# KiCad board demomatrix.kicad_pcb (continued)
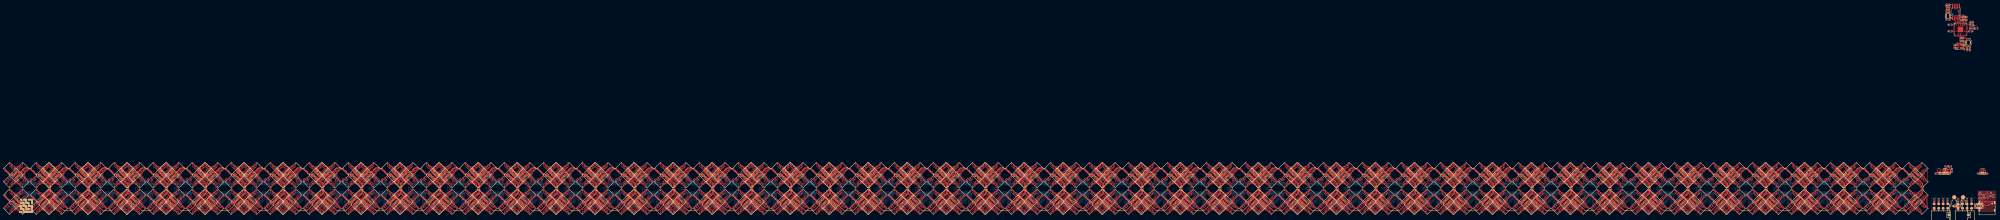
[diagram p0: board, top side]
## Routing (per net, layer and track width the routed paths; a pad name or vN(x,y) marks a point on that pad's centre or on a via; arc(x,y) is an arc through that point) (continued)
rgbs[3]-cathodes-cathode-629: length 17.6
  Top w0.2: v1(-225.6,2.94) -225.6,2.96 LED732.5
  Bottom w0.2: U226.19 -214.61,6.81 -217.72,3.69 -224.19,3.69 -224.94,2.94 v1(-225.6,2.94)
rgbs[3]-cathodes-cathode-630: length 15.2
  Top w0.2: -225.43,4.48 -224.95,4 v1(-224.89,4)
  Bottom w0.2: v1(-224.89,4) -224.8,4.09 -217.89,4.09 -215.24,6.74 U226.20
rgbs[3]-cathodes-cathode-631: length 17.3
  Top w0.2: v1(-226.38,16.92) -226.38,17.03 LED724.3
  Bottom w0.2: v1(-226.38,16.92) -226.21,17.09 -225.92,17.09 -225.54,17.48 -225.19,17.83 -225.19,17.83 -224.93,18.09 -224.62,18.09 -224.62,18.09 -224.2,18.09 -222,20.29 -217.88,20.29 -214.61,17.02 U226.6
rgbs[3]-cathodes-cathode-632: length 16.9
  Top w0.2: LED724.5 -225.79,18.14 v1(-225.79,18.08)
  Bottom w0.2: v1(-225.79,18.08) -225.65,17.94 -225.1,18.49 -224.79,18.49 -224.7,18.49 -224.37,18.49 -222.16,20.69 -217.71,20.69 -213.97,16.95 U226.7
rgbs[3]-cathodes-cathode-633: length 16.1
  Top w0.2: v1(-225.04,19.09) -225.04,19.09 -225.43,19.48
  Bottom w0.2: v1(-225.04,19.09) -224.84,18.89 -224.53,18.89 -222.33,21.09 -217.55,21.09 -213.34,16.89 U226.8
rgbs[3]-cathodes-cathode-634: length 4.1
  Top w0.2: v1(-213.81,18.21) -213.26,17.66 LED728.1
  Bottom w0.2: v1(-213.81,18.21) -212.7,17.1 U226.9
rgbs[3]-cathodes-cathode-635: length 4.5
  Top w0.2: v1(-213.2,18.72) -213.07,18.72 LED728.3
  Bottom w0.2: v1(-213.2,18.72) -212.07,17.59 U226.10
rgbs[3]-cathodes-cathode-636: length 3.2
  Top w0.2: v1(-211.42,17.52) -211.42,18.78 LED728.5
  Bottom w0.2: U226.11 -211.43,17.51 v1(-211.42,17.52)
rgbs[3]-cathodes-cathode-637: length 3.7
  Top w0.2: v1(-210.79,18.01) -210.53,18.27 -210.53,19.33
  Bottom w0.2: U226.12 -210.8,18 v1(-210.79,18.01)
rgbs[3]-cathodes-cathode-638: length 7.9
  Top w0.2: v1(-209.98,4) -210.72,4.74 LED736.7
  Bottom w0.2: U226.13 -210.8,4.82 v1(-209.98,4)
rgbs[3]-cathodes-cathode-639: length 8.7
  Top w0.2: LED736.5 -210.9,3.25 v1(-210.9,3.1)
  Bottom w0.2: v1(-210.9,3.1) -211.43,3.64 U226.14
rgbs[3]-cathodes-cathode-640: length 17.9
  Top w0.2: v1(-204.77,15.8) -204.85,15.8 LED740.1
  Bottom w0.2: v1(-204.77,15.8) -204.65,15.8 ; -204.65,15.8 -204.13,16.32 -204.13,16.32 -203.78,16.67 -203.78,16.68 -203.37,17.08 -203.14,17.31 -202.79,17.66 -202.79,17.67 -202.77,17.69 -202.46,17.69 -202.37,17.69 -202.03,17.69 -199.83,19.89 -196.04,19.89 -193.24,17.09 -193.24,16.89 U231.5 ; -204.65,15.8 -204.58,15.87
rgbs[3]-cathodes-cathode-641: length 9.4
  Top w0.2: v1(-189.72,2.28) -190.41,2.97 LED752.3
  Bottom w0.2: U231.15 -190.07,2.63 v1(-189.72,2.28)
rgbs[3]-cathodes-cathode-642: length 10.7
  Top w0.2: v1(-190.36,1.27) -191.26,2.17 LED752.1
  Bottom w0.2: U231.16 -190.7,1.61 v1(-190.36,1.27)
rgbs[3]-cathodes-cathode-643: length 21.3
  Top w0.2: v1(-205.23,1.21) -205.25,1.21 LED748.1
  Bottom w0.2: v1(-205.23,1.21) -203.54,1.21 -201.86,2.89 -195.39,2.89 -191.37,6.91 -191.37,9.65 -191.27,9.75 -191.27,10.46 U231.17
rgbs[3]-cathodes-cathode-644: length 19.3
  Top w0.2: LED748.3 -204.51,2.17 v1(-204.44,2.17)
  Bottom w0.2: U231.18 -191.97,6.88 -195.56,3.29 -202.02,3.29 -203.15,2.17 v1(-204.44,2.17)
rgbs[3]-cathodes-cathode-645: length 17.6
  Top w0.2: LED748.5 -203.6,2.96 v1(-203.6,2.94)
  Bottom w0.2: U231.19 -192.61,6.81 -195.72,3.69 -202.19,3.69 -202.94,2.94 v1(-203.6,2.94)
rgbs[3]-cathodes-cathode-646: length 15.2
  Top w0.2: -203.43,4.48 -202.95,4 v1(-202.89,4)
  Bottom w0.2: v1(-202.89,4) -202.8,4.09 -195.89,4.09 -193.24,6.74 U231.20
rgbs[3]-cathodes-cathode-647: length 17.3
  Top w0.2: v1(-204.38,16.92) -204.38,17.03 LED740.3
  Bottom w0.2: v1(-204.38,16.92) -204.21,17.09 -203.92,17.09 -203.54,17.48 -203.19,17.83 -203.19,17.83 -202.93,18.09 -202.62,18.09 -202.62,18.09 -202.2,18.09 -200,20.29 -195.88,20.29 -192.61,17.02 U231.6
rgbs[3]-cathodes-cathode-648: length 16.9
  Top w0.2: v1(-203.79,18.08) -203.79,18.14 LED740.5
  Bottom w0.2: U231.7 -191.97,16.95 -195.71,20.69 -200.16,20.69 -202.37,18.49 -202.79,18.49 -203.1,18.49 -203.65,17.94 v1(-203.79,18.08)
rgbs[3]-cathodes-cathode-649: length 16.1
  Top w0.2: v1(-203.04,19.09) -203.04,19.09 -203.43,19.48
  Bottom w0.2: U231.8 -191.34,16.89 -195.55,21.09 -200.33,21.09 -202.53,18.89 -202.84,18.89 v1(-203.04,19.09)
rgbs[3]-cathodes-cathode-650: length 4.1
  Top w0.2: LED744.1 -191.26,17.66 v1(-191.81,18.21)
  Bottom w0.2: U231.9 -190.7,17.1 v1(-191.81,18.21)
rgbs[3]-cathodes-cathode-651: length 4.5
  Top w0.2: v1(-191.2,18.72) -191.07,18.72 LED744.3
  Bottom w0.2: v1(-191.2,18.72) -190.07,17.59 U231.10
rgbs[3]-cathodes-cathode-652: length 3.2
  Top w0.2: LED744.5 -189.42,18.78 v1(-189.42,17.52)
  Bottom w0.2: v1(-189.42,17.52) -189.43,17.51 U231.11
rgbs[3]-cathodes-cathode-653: length 3.7
  Top w0.2: -188.53,19.33 -188.53,18.27 v1(-188.79,18.01)
  Bottom w0.2: v1(-188.79,18.01) -188.8,18 U231.12
rgbs[3]-cathodes-cathode-654: length 7.9
  Top w0.2: v1(-187.98,4) -188.72,4.74 LED752.7
  Bottom w0.2: v1(-187.98,4) -188.8,4.82 U231.13
rgbs[3]-cathodes-cathode-655: length 8.7
  Top w0.2: v1(-188.9,3.1) -188.9,3.25 LED752.5
  Bottom w0.2: U231.14 -189.43,3.64 v1(-188.9,3.1)
rgbs[3]-cathodes-cathode-656: length 17.9
  Top w0.2: LED756.1 -182.85,15.8 v1(-182.77,15.8)
  Bottom w0.2: -182.65,15.8 -182.13,16.32 -182.13,16.32 -181.78,16.67 -181.78,16.68 -181.37,17.08 -181.14,17.31 -180.79,17.66 -180.79,17.67 -180.77,17.69 -180.46,17.69 -180.37,17.69 -180.03,17.69 -177.83,19.89 -174.04,19.89 -171.24,17.09 -171.24,16.89 U236.5 ; -182.65,15.8 v1(-182.77,15.8) ; -182.65,15.8 -182.58,15.87
rgbs[3]-cathodes-cathode-657: length 9.4
  Top w0.2: LED768.3 -168.41,2.97 v1(-167.72,2.28)
  Bottom w0.2: v1(-167.72,2.28) -168.07,2.63 U236.15
rgbs[3]-cathodes-cathode-658: length 10.7
  Top w0.2: LED768.1 -169.26,2.17 v1(-168.36,1.27)
  Bottom w0.2: v1(-168.36,1.27) -168.7,1.61 U236.16
rgbs[3]-cathodes-cathode-659: length 21.3
  Top w0.2: v1(-183.23,1.21) -183.25,1.21 LED764.1
  Bottom w0.2: v1(-183.23,1.21) -181.54,1.21 -179.86,2.89 -173.39,2.89 -169.37,6.91 -169.37,9.65 -169.27,9.75 -169.27,10.46 U236.17
rgbs[3]-cathodes-cathode-660: length 19.3
  Top w0.2: LED764.3 -182.51,2.17 v1(-182.44,2.17)
  Bottom w0.2: U236.18 -169.97,6.88 -173.56,3.29 -180.02,3.29 -181.15,2.17 v1(-182.44,2.17)
rgbs[3]-cathodes-cathode-661: length 17.6
  Top w0.2: LED764.5 -181.6,2.96 v1(-181.6,2.94)
  Bottom w0.2: v1(-181.6,2.94) -180.94,2.94 -180.19,3.69 -173.72,3.69 -170.61,6.81 U236.19
rgbs[3]-cathodes-cathode-662: length 15.2
  Top w0.2: v1(-180.89,4) -180.95,4 -181.43,4.48
  Bottom w0.2: U236.20 -171.24,6.74 -173.89,4.09 -180.8,4.09 v1(-180.89,4)
rgbs[3]-cathodes-cathode-663: length 17.3
  Top w0.2: LED756.3 -182.38,17.03 v1(-182.38,16.92)
  Bottom w0.2: v1(-182.38,16.92) -182.21,17.09 -181.92,17.09 -181.54,17.48 -181.19,17.83 -181.19,17.83 -180.93,18.09 -180.62,18.09 -180.62,18.09 -180.2,18.09 -178,20.29 -173.88,20.29 -170.61,17.02 U236.6
rgbs[3]-cathodes-cathode-664: length 16.9
  Top w0.2: v1(-181.79,18.08) -181.79,18.14 LED756.5
  Bottom w0.2: v1(-181.79,18.08) -181.65,17.94 -181.1,18.49 -180.79,18.49 -180.7,18.49 -180.37,18.49 -178.16,20.69 -173.71,20.69 -169.97,16.95 U236.7
rgbs[3]-cathodes-cathode-665: length 16.1
  Top w0.2: v1(-181.04,19.09) -181.04,19.09 -181.43,19.48
  Bottom w0.2: U236.8 -169.34,16.89 -173.55,21.09 -178.33,21.09 -180.53,18.89 -180.84,18.89 v1(-181.04,19.09)
rgbs[3]-cathodes-cathode-666: length 4.1
  Top w0.2: LED760.1 -169.26,17.66 v1(-169.81,18.21)
  Bottom w0.2: v1(-169.81,18.21) -168.7,17.1 U236.9
rgbs[3]-cathodes-cathode-667: length 4.5
  Top w0.2: LED760.3 -169.07,18.72 v1(-169.2,18.72)
  Bottom w0.2: U236.10 -168.07,17.59 v1(-169.2,18.72)
rgbs[3]-cathodes-cathode-668: length 3.2
  Top w0.2: LED760.5 -167.42,18.78 v1(-167.42,17.52)
  Bottom w0.2: U236.11 -167.43,17.51 v1(-167.42,17.52)
rgbs[3]-cathodes-cathode-669: length 3.7
  Top w0.2: -166.53,19.33 -166.53,18.27 v1(-166.79,18.01)
  Bottom w0.2: v1(-166.79,18.01) -166.8,18 U236.12
rgbs[3]-cathodes-cathode-670: length 7.9
  Top w0.2: LED768.7 -166.72,4.74 v1(-165.98,4)
  Bottom w0.2: v1(-165.98,4) -166.8,4.82 U236.13
rgbs[3]-cathodes-cathode-671: length 8.7
  Top w0.2: v1(-166.9,3.1) -166.9,3.25 LED768.5
  Bottom w0.2: U236.14 -167.43,3.64 v1(-166.9,3.1)
rgbs[3]-cathodes-cathode-672: length 17.9
  Top w0.2: LED772.1 -160.85,15.8 v1(-160.77,15.8)
  Bottom w0.2: U241.5 -149.24,16.89 -149.24,17.09 -152.04,19.89 -155.83,19.89 -158.03,17.69 -158.46,17.69 -158.77,17.69 -158.79,17.67 -158.79,17.66 -159.37,17.08 -159.52,16.93 -159.78,16.68 -159.78,16.67 -160.13,16.32 -160.13,16.32 -160.65,15.8 ; v1(-160.77,15.8) -160.65,15.8 ; -160.65,15.8 -160.58,15.87
rgbs[3]-cathodes-cathode-673: length 9.4
  Top w0.2: LED784.3 -146.41,2.97 v1(-145.72,2.28)
  Bottom w0.2: v1(-145.72,2.28) -146.07,2.63 U241.15
rgbs[3]-cathodes-cathode-674: length 10.7
  Top w0.2: LED784.1 -147.26,2.17 v1(-146.36,1.27)
  Bottom w0.2: v1(-146.36,1.27) -146.7,1.61 U241.16
rgbs[3]-cathodes-cathode-675: length 21.3
  Top w0.2: v1(-161.23,1.21) -161.25,1.21 LED780.1
  Bottom w0.2: v1(-161.23,1.21) -159.54,1.21 -157.86,2.89 -151.39,2.89 -147.37,6.91 -147.37,9.65 -147.27,9.75 -147.27,10.46 U241.17
rgbs[3]-cathodes-cathode-676: length 19.3
  Top w0.2: v1(-160.44,2.17) -160.51,2.17 LED780.3
  Bottom w0.2: U241.18 -147.97,6.88 -151.56,3.29 -158.02,3.29 -159.15,2.17 v1(-160.44,2.17)
rgbs[3]-cathodes-cathode-677: length 17.6
  Top w0.2: LED780.5 -159.6,2.96 v1(-159.6,2.94)
  Bottom w0.2: U241.19 -148.61,6.81 -151.72,3.69 -158.19,3.69 -158.94,2.94 v1(-159.6,2.94)
rgbs[3]-cathodes-cathode-678: length 15.2
  Top w0.2: v1(-158.89,4) -158.95,4 -159.43,4.48
  Bottom w0.2: U241.20 -149.24,6.74 -151.89,4.09 -158.8,4.09 v1(-158.89,4)
rgbs[3]-cathodes-cathode-679: length 17.3
  Top w0.2: v1(-160.38,16.92) -160.38,17.03 LED772.3
  Bottom w0.2: U241.6 -148.61,17.02 -151.88,20.29 -156,20.29 -158.2,18.09 -158.62,18.09 -158.62,18.09 -158.93,18.09 -159.19,17.83 -159.19,17.83 -159.54,17.48 -159.92,17.09 -160.21,17.09 v1(-160.38,16.92)
rgbs[3]-cathodes-cathode-680: length 16.9
  Top w0.2: v1(-159.79,18.08) -159.79,18.14 LED772.5
  Bottom w0.2: U241.7 -147.97,16.95 -151.71,20.69 -156.16,20.69 -158.37,18.49 -158.79,18.49 -159.1,18.49 -159.65,17.94 v1(-159.79,18.08)
rgbs[3]-cathodes-cathode-681: length 16.1
  Top w0.2: v1(-159.04,19.09) -159.04,19.09 -159.43,19.48
  Bottom w0.2: v1(-159.04,19.09) -158.84,18.89 -158.53,18.89 -156.33,21.09 -151.55,21.09 -147.34,16.89 U241.8
rgbs[3]-cathodes-cathode-682: length 4.1
  Top w0.2: v1(-147.81,18.21) -147.26,17.66 LED776.1
  Bottom w0.2: v1(-147.81,18.21) -146.7,17.1 U241.9
rgbs[3]-cathodes-cathode-683: length 4.5
  Top w0.2: LED776.3 -147.07,18.72 v1(-147.2,18.72)
  Bottom w0.2: U241.10 -146.07,17.59 v1(-147.2,18.72)
rgbs[3]-cathodes-cathode-684: length 3.2
  Top w0.2: v1(-145.42,17.52) -145.42,18.78 LED776.5
  Bottom w0.2: v1(-145.42,17.52) -145.43,17.51 U241.11
rgbs[3]-cathodes-cathode-685: length 3.7
  Top w0.2: -144.53,19.33 -144.53,18.27 v1(-144.79,18.01)
  Bottom w0.2: U241.12 -144.8,18 v1(-144.79,18.01)
rgbs[3]-cathodes-cathode-686: length 7.9
  Top w0.2: v1(-143.98,4) -144.72,4.74 LED784.7
  Bottom w0.2: U241.13 -144.8,4.82 v1(-143.98,4)
rgbs[3]-cathodes-cathode-687: length 8.7
  Top w0.2: LED784.5 -144.9,3.25 v1(-144.9,3.1)
  Bottom w0.2: U241.14 -145.43,3.64 v1(-144.9,3.1)
rgbs[3]-cathodes-cathode-688: length 17.9
  Top w0.2: LED68.1 -138.85,15.8 v1(-138.77,15.8)
  Bottom w0.2: -138.58,15.87 -138.65,15.8 ; -138.65,15.8 v1(-138.77,15.8) ; -138.65,15.8 -138.13,16.32 -138.13,16.32 -137.78,16.67 -137.78,16.68 -137.37,17.08 -137.14,17.31 -136.79,17.66 -136.79,17.67 -136.77,17.69 -136.46,17.69 -136.37,17.69 -136.03,17.69 -133.83,19.89 -130.04,19.89 -127.24,17.09 -127.24,16.89 U21.5
rgbs[3]-cathodes-cathode-689: length 9.4
  Top w0.2: LED80.3 -124.41,2.97 v1(-123.72,2.28)
  Bottom w0.2: U21.15 -124.07,2.63 v1(-123.72,2.28)
rgbs[3]-cathodes-cathode-690: length 10.7
  Top w0.2: LED80.1 -125.26,2.17 v1(-124.36,1.27)
  Bottom w0.2: v1(-124.36,1.27) -124.7,1.61 U21.16
rgbs[3]-cathodes-cathode-691: length 21.3
  Top w0.2: v1(-139.23,1.21) -139.25,1.21 LED76.1
  Bottom w0.2: U21.17 -125.27,10.46 -125.27,9.75 -125.37,9.65 -125.37,6.91 -129.39,2.89 -135.86,2.89 -137.54,1.21 v1(-139.23,1.21)
rgbs[3]-cathodes-cathode-692: length 19.3
  Top w0.2: v1(-138.44,2.17) -138.51,2.17 LED76.3
  Bottom w0.2: v1(-138.44,2.17) -137.15,2.17 -136.02,3.29 -129.56,3.29 -125.97,6.88 U21.18
rgbs[3]-cathodes-cathode-693: length 17.6
  Top w0.2: v1(-137.6,2.94) -137.6,2.96 LED76.5
  Bottom w0.2: v1(-137.6,2.94) -136.94,2.94 -136.19,3.69 -129.72,3.69 -126.61,6.81 U21.19
rgbs[3]-cathodes-cathode-694: length 15.2
  Top w0.2: -137.43,4.48 -136.95,4 v1(-136.89,4)
  Bottom w0.2: v1(-136.89,4) -136.8,4.09 -129.89,4.09 -127.24,6.74 U21.20
rgbs[3]-cathodes-cathode-695: length 17.3
  Top w0.2: LED68.3 -138.38,17.03 v1(-138.38,16.92)
  Bottom w0.2: v1(-138.38,16.92) -138.21,17.09 -137.92,17.09 -137.54,17.48 -137.19,17.83 -137.19,17.83 -136.93,18.09 -136.62,18.09 -136.62,18.09 -136.2,18.09 -134,20.29 -129.88,20.29 -126.61,17.02 U21.6
rgbs[3]-cathodes-cathode-696: length 16.9
  Top w0.2: v1(-137.79,18.08) -137.79,18.14 LED68.5
  Bottom w0.2: v1(-137.79,18.08) -137.65,17.94 -137.1,18.49 -136.79,18.49 -136.7,18.49 -136.37,18.49 -134.16,20.69 -129.71,20.69 -125.97,16.95 U21.7
rgbs[3]-cathodes-cathode-697: length 16.1
  Top w0.2: v1(-137.04,19.09) -137.04,19.09 -137.43,19.48
  Bottom w0.2: U21.8 -125.34,16.89 -129.55,21.09 -134.33,21.09 -136.53,18.89 -136.84,18.89 v1(-137.04,19.09)
rgbs[3]-cathodes-cathode-698: length 4.1
  Top w0.2: LED72.1 -125.26,17.66 v1(-125.81,18.21)
  Bottom w0.2: U21.9 -124.7,17.1 v1(-125.81,18.21)
rgbs[3]-cathodes-cathode-699: length 4.5
  Top w0.2: v1(-125.2,18.72) -125.07,18.72 LED72.3
  Bottom w0.2: v1(-125.2,18.72) -124.07,17.59 U21.10
rgbs[3]-cathodes-cathode-700: length 3.2
  Top w0.2: v1(-123.42,17.52) -123.42,18.78 LED72.5
  Bottom w0.2: v1(-123.42,17.52) -123.43,17.51 U21.11
rgbs[3]-cathodes-cathode-701: length 3.7
  Top w0.2: v1(-122.79,18.01) -122.53,18.27 -122.53,19.33
  Bottom w0.2: v1(-122.79,18.01) -122.8,18 U21.12
rgbs[3]-cathodes-cathode-702: length 7.9
  Top w0.2: LED80.7 -122.72,4.74 v1(-121.98,4)
  Bottom w0.2: U21.13 -122.8,4.82 v1(-121.98,4)
rgbs[3]-cathodes-cathode-703: length 8.7
  Top w0.2: v1(-122.9,3.1) -122.9,3.25 LED80.5
  Bottom w0.2: v1(-122.9,3.1) -123.43,3.64 U21.14
rgbs[3]-cathodes-cathode-704: length 17.9
  Top w0.2: v1(-116.77,15.8) -116.85,15.8 LED84.1
  Bottom w0.2: U26.5 -105.24,16.89 -105.24,17.09 -108.04,19.89 -111.83,19.89 -114.03,17.69 -114.46,17.69 -114.77,17.69 -114.79,17.67 -114.79,17.66 -115.37,17.08 -115.52,16.93 -115.78,16.68 -115.78,16.67 -116.13,16.32 -116.13,16.32 -116.65,15.8 ; v1(-116.77,15.8) -116.65,15.8 ; -116.65,15.8 -116.58,15.87
rgbs[3]-cathodes-cathode-705: length 9.4
  Top w0.2: LED96.3 -102.41,2.97 v1(-101.72,2.28)
  Bottom w0.2: U26.15 -102.07,2.63 v1(-101.72,2.28)
rgbs[3]-cathodes-cathode-706: length 10.7
  Top w0.2: v1(-102.36,1.27) -103.26,2.17 LED96.1
  Bottom w0.2: v1(-102.36,1.27) -102.7,1.61 U26.16
rgbs[3]-cathodes-cathode-707: length 21.3
  Top w0.2: v1(-117.23,1.21) -117.25,1.21 LED92.1
  Bottom w0.2: v1(-117.23,1.21) -115.54,1.21 -113.86,2.89 -107.39,2.89 -103.37,6.91 -103.37,9.65 -103.27,9.75 -103.27,10.46 U26.17
rgbs[3]-cathodes-cathode-708: length 19.3
  Top w0.2: v1(-116.44,2.17) -116.51,2.17 LED92.3
  Bottom w0.2: v1(-116.44,2.17) -115.15,2.17 -114.02,3.29 -107.56,3.29 -103.97,6.88 U26.18
rgbs[3]-cathodes-cathode-709: length 17.6
  Top w0.2: LED92.5 -115.6,2.96 v1(-115.6,2.94)
  Bottom w0.2: v1(-115.6,2.94) -114.94,2.94 -114.19,3.69 -107.72,3.69 -104.61,6.81 U26.19
rgbs[3]-cathodes-cathode-710: length 15.2
  Top w0.2: -115.43,4.48 -114.95,4 v1(-114.89,4)
  Bottom w0.2: v1(-114.89,4) -114.8,4.09 -107.89,4.09 -105.24,6.74 U26.20
rgbs[3]-cathodes-cathode-711: length 17.3
  Top w0.2: LED84.3 -116.38,17.03 v1(-116.38,16.92)
  Bottom w0.2: v1(-116.38,16.92) -116.21,17.09 -115.92,17.09 -115.54,17.48 -115.19,17.83 -115.19,17.83 -114.93,18.09 -114.62,18.09 -114.62,18.09 -114.2,18.09 -112,20.29 -107.88,20.29 -104.61,17.02 U26.6
rgbs[3]-cathodes-cathode-712: length 16.9
  Top w0.2: LED84.5 -115.79,18.14 v1(-115.79,18.08)
  Bottom w0.2: U26.7 -103.97,16.95 -107.71,20.69 -112.16,20.69 -114.37,18.49 -114.79,18.49 -115.1,18.49 -115.65,17.94 v1(-115.79,18.08)
rgbs[3]-cathodes-cathode-713: length 16.1
  Top w0.2: -115.43,19.48 -115.04,19.09 v1(-115.04,19.09)
  Bottom w0.2: v1(-115.04,19.09) -114.84,18.89 -114.53,18.89 -112.33,21.09 -107.55,21.09 -103.34,16.89 U26.8
rgbs[3]-cathodes-cathode-714: length 4.1
  Top w0.2: LED88.1 -103.26,17.66 v1(-103.81,18.21)
  Bottom w0.2: U26.9 -102.7,17.1 v1(-103.81,18.21)
rgbs[3]-cathodes-cathode-715: length 4.5
  Top w0.2: v1(-103.2,18.72) -103.07,18.72 LED88.3
  Bottom w0.2: v1(-103.2,18.72) -102.07,17.59 U26.10
rgbs[3]-cathodes-cathode-716: length 3.2
  Top w0.2: LED88.5 -101.42,18.78 v1(-101.42,17.52)
  Bottom w0.2: U26.11 -101.43,17.51 v1(-101.42,17.52)
rgbs[3]-cathodes-cathode-717: length 3.7
  Top w0.2: -100.53,19.33 -100.53,18.27 v1(-100.79,18.01)
  Bottom w0.2: v1(-100.79,18.01) -100.8,18 U26.12
rgbs[3]-cathodes-cathode-718: length 7.9
  Top w0.2: v1(-99.98,4) -100.72,4.74 LED96.7
  Bottom w0.2: U26.13 -100.8,4.82 v1(-99.98,4)
rgbs[3]-cathodes-cathode-719: length 8.7
  Top w0.2: v1(-100.9,3.1) -100.9,3.25 LED96.5
  Bottom w0.2: U26.14 -101.43,3.64 v1(-100.9,3.1)
rgbs[3]-cathodes-cathode-720: length 17.9
  Top w0.2: LED100.1 -94.85,15.8 v1(-94.77,15.8)
  Bottom w0.2: v1(-94.77,15.8) -94.65,15.8 ; -94.65,15.8 -94.13,16.32 -94.13,16.32 -93.78,16.67 -93.78,16.68 -93.37,17.08 -93.14,17.31 -92.79,17.66 -92.79,17.67 -92.77,17.69 -92.46,17.69 -92.37,17.69 -92.03,17.69 -89.83,19.89 -86.04,19.89 -83.24,17.09 -83.24,16.89 U31.5 ; -94.65,15.8 -94.58,15.87
rgbs[3]-cathodes-cathode-721: length 9.4
  Top w0.2: LED112.3 -80.41,2.97 v1(-79.72,2.28)
  Bottom w0.2: v1(-79.72,2.28) -80.07,2.63 U31.15
rgbs[3]-cathodes-cathode-722: length 10.7
  Top w0.2: LED112.1 -81.26,2.17 v1(-80.36,1.27)
  Bottom w0.2: v1(-80.36,1.27) -80.7,1.61 U31.16
rgbs[3]-cathodes-cathode-723: length 21.3
  Top w0.2: v1(-95.23,1.21) -95.25,1.21 LED108.1
  Bottom w0.2: U31.17 -81.27,10.46 -81.27,9.75 -81.37,9.65 -81.37,6.91 -85.39,2.89 -91.86,2.89 -93.54,1.21 v1(-95.23,1.21)
rgbs[3]-cathodes-cathode-724: length 19.3
  Top w0.2: v1(-94.44,2.17) -94.51,2.17 LED108.3
  Bottom w0.2: U31.18 -81.97,6.88 -85.56,3.29 -92.02,3.29 -93.15,2.17 v1(-94.44,2.17)
rgbs[3]-cathodes-cathode-725: length 17.6
  Top w0.2: v1(-93.6,2.94) -93.6,2.96 LED108.5
  Bottom w0.2: U31.19 -82.61,6.81 -85.72,3.69 -92.19,3.69 -92.94,2.94 v1(-93.6,2.94)
rgbs[3]-cathodes-cathode-726: length 15.2
  Top w0.2: -93.43,4.48 -92.95,4 v1(-92.89,4)
  Bottom w0.2: v1(-92.89,4) -92.8,4.09 -85.89,4.09 -83.24,6.74 U31.20
rgbs[3]-cathodes-cathode-727: length 17.3
  Top w0.2: v1(-94.38,16.92) -94.38,17.03 LED100.3
  Bottom w0.2: v1(-94.38,16.92) -94.21,17.09 -93.92,17.09 -93.54,17.48 -93.19,17.83 -93.19,17.83 -92.93,18.09 -92.62,18.09 -92.62,18.09 -92.2,18.09 -90,20.29 -85.88,20.29 -82.61,17.02 U31.6
rgbs[3]-cathodes-cathode-728: length 16.9
  Top w0.2: v1(-93.79,18.08) -93.79,18.14 LED100.5
  Bottom w0.2: v1(-93.79,18.08) -93.65,17.94 -93.1,18.49 -92.79,18.49 -92.7,18.49 -92.37,18.49 -90.16,20.69 -85.71,20.69 -81.97,16.95 U31.7
rgbs[3]-cathodes-cathode-729: length 16.1
  Top w0.2: -93.43,19.48 -93.04,19.09 v1(-93.04,19.09)
  Bottom w0.2: v1(-93.04,19.09) -92.84,18.89 -92.53,18.89 -90.33,21.09 -85.55,21.09 -81.34,16.89 U31.8
rgbs[3]-cathodes-cathode-730: length 4.1
  Top w0.2: v1(-81.81,18.21) -81.26,17.66 LED104.1
  Bottom w0.2: U31.9 -80.7,17.1 v1(-81.81,18.21)
rgbs[3]-cathodes-cathode-731: length 4.5
  Top w0.2: LED104.3 -81.07,18.72 v1(-81.2,18.72)
  Bottom w0.2: v1(-81.2,18.72) -80.07,17.59 U31.10
rgbs[3]-cathodes-cathode-732: length 3.2
  Top w0.2: LED104.5 -79.42,18.78 v1(-79.42,17.52)
  Bottom w0.2: v1(-79.42,17.52) -79.43,17.51 U31.11
rgbs[3]-cathodes-cathode-733: length 3.7
  Top w0.2: v1(-78.79,18.01) -78.53,18.27 -78.53,19.33
  Bottom w0.2: U31.12 -78.8,18 v1(-78.79,18.01)
rgbs[3]-cathodes-cathode-734: length 7.9
  Top w0.2: v1(-77.98,4) -78.72,4.74 LED112.7
  Bottom w0.2: U31.13 -78.8,4.82 v1(-77.98,4)
rgbs[3]-cathodes-cathode-735: length 8.7
  Top w0.2: LED112.5 -78.9,3.25 v1(-78.9,3.1)
  Bottom w0.2: U31.14 -79.43,3.64 v1(-78.9,3.1)
rgbs[3]-cathodes-cathode-736: length 17.9
  Top w0.2: LED116.1 -72.85,15.8 v1(-72.77,15.8)
  Bottom w0.2: v1(-72.77,15.8) -72.65,15.8 ; -72.65,15.8 -72.58,15.87 ; -72.65,15.8 -72.13,16.32 -72.13,16.32 -71.78,16.67 -71.78,16.68 -71.37,17.08 -71.14,17.31 -70.79,17.66 -70.79,17.67 -70.77,17.69 -70.46,17.69 -70.37,17.69 -70.03,17.69 -67.83,19.89 -64.04,19.89 -61.24,17.09 -61.24,16.89 U36.5
rgbs[3]-cathodes-cathode-737: length 9.4
  Top w0.2: LED128.3 -58.41,2.97 v1(-57.72,2.28)
  Bottom w0.2: v1(-57.72,2.28) -58.07,2.63 U36.15
rgbs[3]-cathodes-cathode-738: length 10.7
  Top w0.2: v1(-58.36,1.27) -59.26,2.17 LED128.1
  Bottom w0.2: U36.16 -58.7,1.61 v1(-58.36,1.27)
rgbs[3]-cathodes-cathode-739: length 21.3
  Top w0.2: v1(-73.23,1.21) -73.25,1.21 LED124.1
  Bottom w0.2: U36.17 -59.27,10.46 -59.27,9.75 -59.37,9.65 -59.37,6.91 -63.39,2.89 -69.86,2.89 -71.54,1.21 v1(-73.23,1.21)
rgbs[3]-cathodes-cathode-740: length 19.3
  Top w0.2: LED124.3 -72.51,2.17 v1(-72.44,2.17)
  Bottom w0.2: v1(-72.44,2.17) -71.15,2.17 -70.02,3.29 -63.56,3.29 -59.97,6.88 U36.18
rgbs[3]-cathodes-cathode-741: length 17.6
  Top w0.2: v1(-71.6,2.94) -71.6,2.96 LED124.5
  Bottom w0.2: v1(-71.6,2.94) -70.94,2.94 -70.19,3.69 -63.72,3.69 -60.61,6.81 U36.19
rgbs[3]-cathodes-cathode-742: length 15.2
  Top w0.2: -71.43,4.48 -70.95,4 v1(-70.89,4)
  Bottom w0.2: v1(-70.89,4) -70.8,4.09 -63.89,4.09 -61.24,6.74 U36.20
rgbs[3]-cathodes-cathode-743: length 17.3
  Top w0.2: v1(-72.38,16.92) -72.38,17.03 LED116.3
  Bottom w0.2: v1(-72.38,16.92) -72.21,17.09 -71.92,17.09 -71.54,17.48 -71.19,17.83 -71.19,17.83 -70.93,18.09 -70.62,18.09 -70.62,18.09 -70.2,18.09 -68,20.29 -63.88,20.29 -60.61,17.02 U36.6
rgbs[3]-cathodes-cathode-744: length 16.9
  Top w0.2: LED116.5 -71.79,18.14 v1(-71.79,18.08)
  Bottom w0.2: v1(-71.79,18.08) -71.65,17.94 -71.1,18.49 -70.79,18.49 -70.7,18.49 -70.37,18.49 -68.16,20.69 -63.71,20.69 -59.97,16.95 U36.7
rgbs[3]-cathodes-cathode-745: length 16.1
  Top w0.2: -71.43,19.48 -71.04,19.09 v1(-71.04,19.09)
  Bottom w0.2: v1(-71.04,19.09) -70.84,18.89 -70.53,18.89 -68.33,21.09 -63.55,21.09 -59.34,16.89 U36.8
rgbs[3]-cathodes-cathode-746: length 4.1
  Top w0.2: LED120.1 -59.26,17.66 v1(-59.81,18.21)
  Bottom w0.2: v1(-59.81,18.21) -58.7,17.1 U36.9
rgbs[3]-cathodes-cathode-747: length 4.5
  Top w0.2: v1(-59.2,18.72) -59.07,18.72 LED120.3
  Bottom w0.2: v1(-59.2,18.72) -58.07,17.59 U36.10
rgbs[3]-cathodes-cathode-748: length 3.2
  Top w0.2: LED120.5 -57.42,18.78 v1(-57.42,17.52)
  Bottom w0.2: v1(-57.42,17.52) -57.43,17.51 U36.11
rgbs[3]-cathodes-cathode-749: length 3.7
  Top w0.2: -56.53,19.33 -56.53,18.27 v1(-56.79,18.01)
  Bottom w0.2: U36.12 -56.8,18 v1(-56.79,18.01)
rgbs[3]-cathodes-cathode-750: length 7.9
  Top w0.2: LED128.7 -56.72,4.74 v1(-55.98,4)
  Bottom w0.2: U36.13 -56.8,4.82 v1(-55.98,4)
rgbs[3]-cathodes-cathode-751: length 8.7
  Top w0.2: v1(-56.9,3.1) -56.9,3.25 LED128.5
  Bottom w0.2: v1(-56.9,3.1) -57.43,3.64 U36.14
rgbs[3]-cathodes-cathode-752: length 17.9
  Top w0.2: v1(-50.77,15.8) -50.85,15.8 LED132.1
  Bottom w0.2: U41.5 -39.24,16.89 -39.24,17.09 -42.04,19.89 -45.83,19.89 -48.03,17.69 -48.46,17.69 -48.77,17.69 -48.79,17.67 -48.79,17.66 -49.37,17.08 -49.52,16.93 -49.78,16.68 -49.78,16.67 -50.13,16.32 -50.13,16.32 -50.65,15.8 ; -50.58,15.87 -50.65,15.8 ; -50.65,15.8 v1(-50.77,15.8)
rgbs[3]-cathodes-cathode-753: length 9.4
  Top w0.2: v1(-35.72,2.28) -36.41,2.97 LED144.3
  Bottom w0.2: v1(-35.72,2.28) -36.07,2.63 U41.15
rgbs[3]-cathodes-cathode-754: length 10.7
  Top w0.2: v1(-36.36,1.27) -37.26,2.17 LED144.1
  Bottom w0.2: U41.16 -36.7,1.61 v1(-36.36,1.27)
rgbs[3]-cathodes-cathode-755: length 21.3
  Top w0.2: LED140.1 -51.25,1.21 v1(-51.23,1.21)
  Bottom w0.2: U41.17 -37.27,10.46 -37.27,9.75 -37.37,9.65 -37.37,6.91 -41.39,2.89 -47.86,2.89 -49.54,1.21 v1(-51.23,1.21)
rgbs[3]-cathodes-cathode-756: length 19.3
  Top w0.2: LED140.3 -50.51,2.17 v1(-50.44,2.17)
  Bottom w0.2: U41.18 -37.97,6.88 -41.56,3.29 -48.02,3.29 -49.15,2.17 v1(-50.44,2.17)
rgbs[3]-cathodes-cathode-757: length 17.6
  Top w0.2: v1(-49.6,2.94) -49.6,2.96 LED140.5
  Bottom w0.2: v1(-49.6,2.94) -48.94,2.94 -48.19,3.69 -41.72,3.69 -38.61,6.81 U41.19
rgbs[3]-cathodes-cathode-758: length 15.2
  Top w0.2: -49.43,4.48 -48.95,4 v1(-48.89,4)
  Bottom w0.2: v1(-48.89,4) -48.8,4.09 -41.89,4.09 -39.24,6.74 U41.20
rgbs[3]-cathodes-cathode-759: length 17.3
  Top w0.2: LED132.3 -50.38,17.03 v1(-50.38,16.92)
  Bottom w0.2: v1(-50.38,16.92) -50.21,17.09 -49.92,17.09 -49.54,17.48 -49.19,17.83 -49.19,17.83 -48.93,18.09 -48.62,18.09 -48.62,18.09 -48.2,18.09 -46,20.29 -41.88,20.29 -38.61,17.02 U41.6
rgbs[3]-cathodes-cathode-760: length 16.9
  Top w0.2: v1(-49.79,18.08) -49.79,18.14 LED132.5
  Bottom w0.2: v1(-49.79,18.08) -49.65,17.94 -49.1,18.49 -48.79,18.49 -48.7,18.49 -48.37,18.49 -46.16,20.69 -41.71,20.69 -37.97,16.95 U41.7
rgbs[3]-cathodes-cathode-761: length 16.1
  Top w0.2: -49.43,19.48 -49.04,19.09 v1(-49.04,19.09)
  Bottom w0.2: v1(-49.04,19.09) -48.84,18.89 -48.53,18.89 -46.33,21.09 -41.55,21.09 -37.34,16.89 U41.8
rgbs[3]-cathodes-cathode-762: length 4.1
  Top w0.2: LED136.1 -37.26,17.66 v1(-37.81,18.21)
  Bottom w0.2: v1(-37.81,18.21) -36.7,17.1 U41.9
rgbs[3]-cathodes-cathode-763: length 4.5
  Top w0.2: v1(-37.2,18.72) -37.07,18.72 LED136.3
  Bottom w0.2: v1(-37.2,18.72) -36.07,17.59 U41.10
rgbs[3]-cathodes-cathode-764: length 3.2
  Top w0.2: v1(-35.42,17.52) -35.42,18.78 LED136.5
  Bottom w0.2: U41.11 -35.43,17.51 v1(-35.42,17.52)
rgbs[3]-cathodes-cathode-765: length 3.7
  Top w0.2: v1(-34.79,18.01) -34.53,18.27 -34.53,19.33
  Bottom w0.2: U41.12 -34.8,18 v1(-34.79,18.01)
rgbs[3]-cathodes-cathode-766: length 7.9
  Top w0.2: v1(-33.98,4) -34.72,4.74 LED144.7
  Bottom w0.2: U41.13 -34.8,4.82 v1(-33.98,4)
rgbs[3]-cathodes-cathode-767: length 8.7
  Top w0.2: v1(-34.9,3.1) -34.9,3.25 LED144.5
  Bottom w0.2: U41.14 -35.43,3.64 v1(-34.9,3.1)
rgbs[3]-cathodes-cathode-768: length 17.9
  Top w0.2: LED148.1 -28.85,15.8 v1(-28.77,15.8)
  Bottom w0.2: v1(-28.77,15.8) -28.65,15.8 ; -28.65,15.8 -28.58,15.87 ; -28.65,15.8 -28.13,16.32 -28.13,16.32 -27.78,16.67 -27.78,16.68 -27.37,17.08 -27.14,17.31 -26.79,17.66 -26.79,17.67 -26.77,17.69 -26.46,17.69 -26.37,17.69 -26.03,17.69 -23.83,19.89 -20.04,19.89 -17.24,17.09 -17.24,16.89 U46.5
rgbs[3]-cathodes-cathode-769: length 9.4
  Top w0.2: LED160.3 -14.41,2.97 v1(-13.72,2.28)
  Bottom w0.2: v1(-13.72,2.28) -14.07,2.63 U46.15
rgbs[3]-cathodes-cathode-770: length 10.7
  Top w0.2: LED160.1 -15.26,2.17 v1(-14.36,1.27)
  Bottom w0.2: U46.16 -14.7,1.61 v1(-14.36,1.27)
rgbs[3]-cathodes-cathode-771: length 21.3
  Top w0.2: v1(-29.23,1.21) -29.25,1.21 LED156.1
  Bottom w0.2: U46.17 -15.27,10.46 -15.27,9.75 -15.37,9.65 -15.37,6.91 -19.39,2.89 -25.86,2.89 -27.54,1.21 v1(-29.23,1.21)
rgbs[3]-cathodes-cathode-772: length 19.3
  Top w0.2: v1(-28.44,2.17) -28.51,2.17 LED156.3
  Bottom w0.2: v1(-28.44,2.17) -27.15,2.17 -26.02,3.29 -19.56,3.29 -15.97,6.88 U46.18
rgbs[3]-cathodes-cathode-773: length 17.6
  Top w0.2: LED156.5 -27.6,2.96 v1(-27.6,2.94)
  Bottom w0.2: U46.19 -16.61,6.81 -19.72,3.69 -26.19,3.69 -26.94,2.94 v1(-27.6,2.94)
rgbs[3]-cathodes-cathode-774: length 15.2
  Top w0.2: -27.43,4.48 -26.95,4 v1(-26.89,4)
  Bottom w0.2: U46.20 -17.24,6.74 -19.89,4.09 -26.8,4.09 v1(-26.89,4)
rgbs[3]-cathodes-cathode-775: length 17.3
  Top w0.2: v1(-28.38,16.92) -28.38,17.03 LED148.3
  Bottom w0.2: v1(-28.38,16.92) -28.21,17.09 -27.92,17.09 -27.54,17.48 -27.19,17.83 -27.19,17.83 -26.93,18.09 -26.62,18.09 -26.62,18.09 -26.2,18.09 -24,20.29 -19.88,20.29 -16.61,17.02 U46.6
rgbs[3]-cathodes-cathode-776: length 16.9
  Top w0.2: v1(-27.79,18.08) -27.79,18.14 LED148.5
  Bottom w0.2: U46.7 -15.97,16.95 -19.71,20.69 -24.16,20.69 -26.37,18.49 -26.79,18.49 -27.1,18.49 -27.65,17.94 v1(-27.79,18.08)
rgbs[3]-cathodes-cathode-777: length 16.1
  Top w0.2: v1(-27.04,19.09) -27.04,19.09 -27.43,19.48
  Bottom w0.2: U46.8 -15.34,16.89 -19.55,21.09 -24.33,21.09 -26.53,18.89 -26.84,18.89 v1(-27.04,19.09)
rgbs[3]-cathodes-cathode-778: length 4.1
  Top w0.2: LED152.1 -15.26,17.66 v1(-15.81,18.21)
  Bottom w0.2: U46.9 -14.7,17.1 v1(-15.81,18.21)
rgbs[3]-cathodes-cathode-779: length 4.5
  Top w0.2: LED152.3 -15.07,18.72 v1(-15.2,18.72)
  Bottom w0.2: v1(-15.2,18.72) -14.07,17.59 U46.10
rgbs[3]-cathodes-cathode-780: length 3.2
  Top w0.2: v1(-13.42,17.52) -13.42,18.78 LED152.5
  Bottom w0.2: U46.11 -13.43,17.51 v1(-13.42,17.52)
rgbs[3]-cathodes-cathode-781: length 3.7
  Top w0.2: -12.53,19.33 -12.53,18.27 v1(-12.79,18.01)
  Bottom w0.2: v1(-12.79,18.01) -12.8,18 U46.12
rgbs[3]-cathodes-cathode-782: length 7.9
  Top w0.2: LED160.7 -12.72,4.74 v1(-11.98,4)
  Bottom w0.2: v1(-11.98,4) -12.8,4.82 U46.13
rgbs[3]-cathodes-cathode-783: length 8.7
  Top w0.2: v1(-12.9,3.1) -12.9,3.25 LED160.5
  Bottom w0.2: v1(-12.9,3.1) -13.43,3.64 U46.14
RP_USB_N: length 7.1
  Top w0.2: U252.46 18.11,105.58 v2(18.26,105.43) ; v2(21.71,106.52) 21.86,106.67 22.05,106.67 22.35,106.37 R67.2
  Bottom w0.2: v2(18.26,105.43) 18.11,105.58 18.11,105.98 18.79,106.67 21.56,106.67 v2(21.71,106.52)
RP_USB_P: length 7.8
  Top w0.2: v2(21.71,107.22) 21.86,107.07 22.05,107.07 22.35,107.37 R66.2 ; U252.47 17.71,105.58 v2(17.56,105.43)
  Bottom w0.2: v2(17.56,105.43) 17.71,105.58 17.71,106.15 18.63,107.07 21.56,107.07 v2(21.71,107.22)
USB_N: length 7.6
  Top w0.2: USB1.7 31.96,4.62 31.71,4.37 31.21,4.37 30.96,4.62 USB1.5 30.96,6.62 30.76,6.82 D1.1 D1.6
USB_P: length 6.7
  Top w0.2: 32.46,6.37 32.21,6.62 31.71,6.62 31.46,6.37 USB1.6 ; 32.46,6.37 USB1.8 ; 32.46,6.37 32.66,6.57 D1.3 D1.4
VDIV_OUTPUT: length 2.7
  Top w0.25: U251.4 10.66,24.94 10.3,25.29 R58.1 10.29,25.67 R59.2
XIN: length 9.3
  Top w0.2: U252.20 16.11,93.52 16.06,93.47
  Top w0.25: C454.1 14.71,92.97 X1.1 15.26,92.67 16.06,93.47
XOUT: length 6
  Top w0.2: R63.2 16.83,95.7 16.51,96.02 U252.21

## Copper pours and planes (outline as drawn; the poured copper is in the pictures)
GND on Top, Bottom: 26.46,-0.38 36.96,-0.38 36.96,11.87 26.46,11.87

## Text on the board
User.Drawings: BOARD EDGE
